# Altium PCB Flow_Pump.PcbDoc (part 5 of 5)
Units mm, origin at the board's own origin, x right, y up, seen from the top; angles counter-clockwise.
Board outline 203 x 203 mm, 2 copper layers (Top Layer, Bottom Layer); 250 components, 181 nets, 863 pads, 3284 vias.
Unrouted connection lines stored in the file: 1.
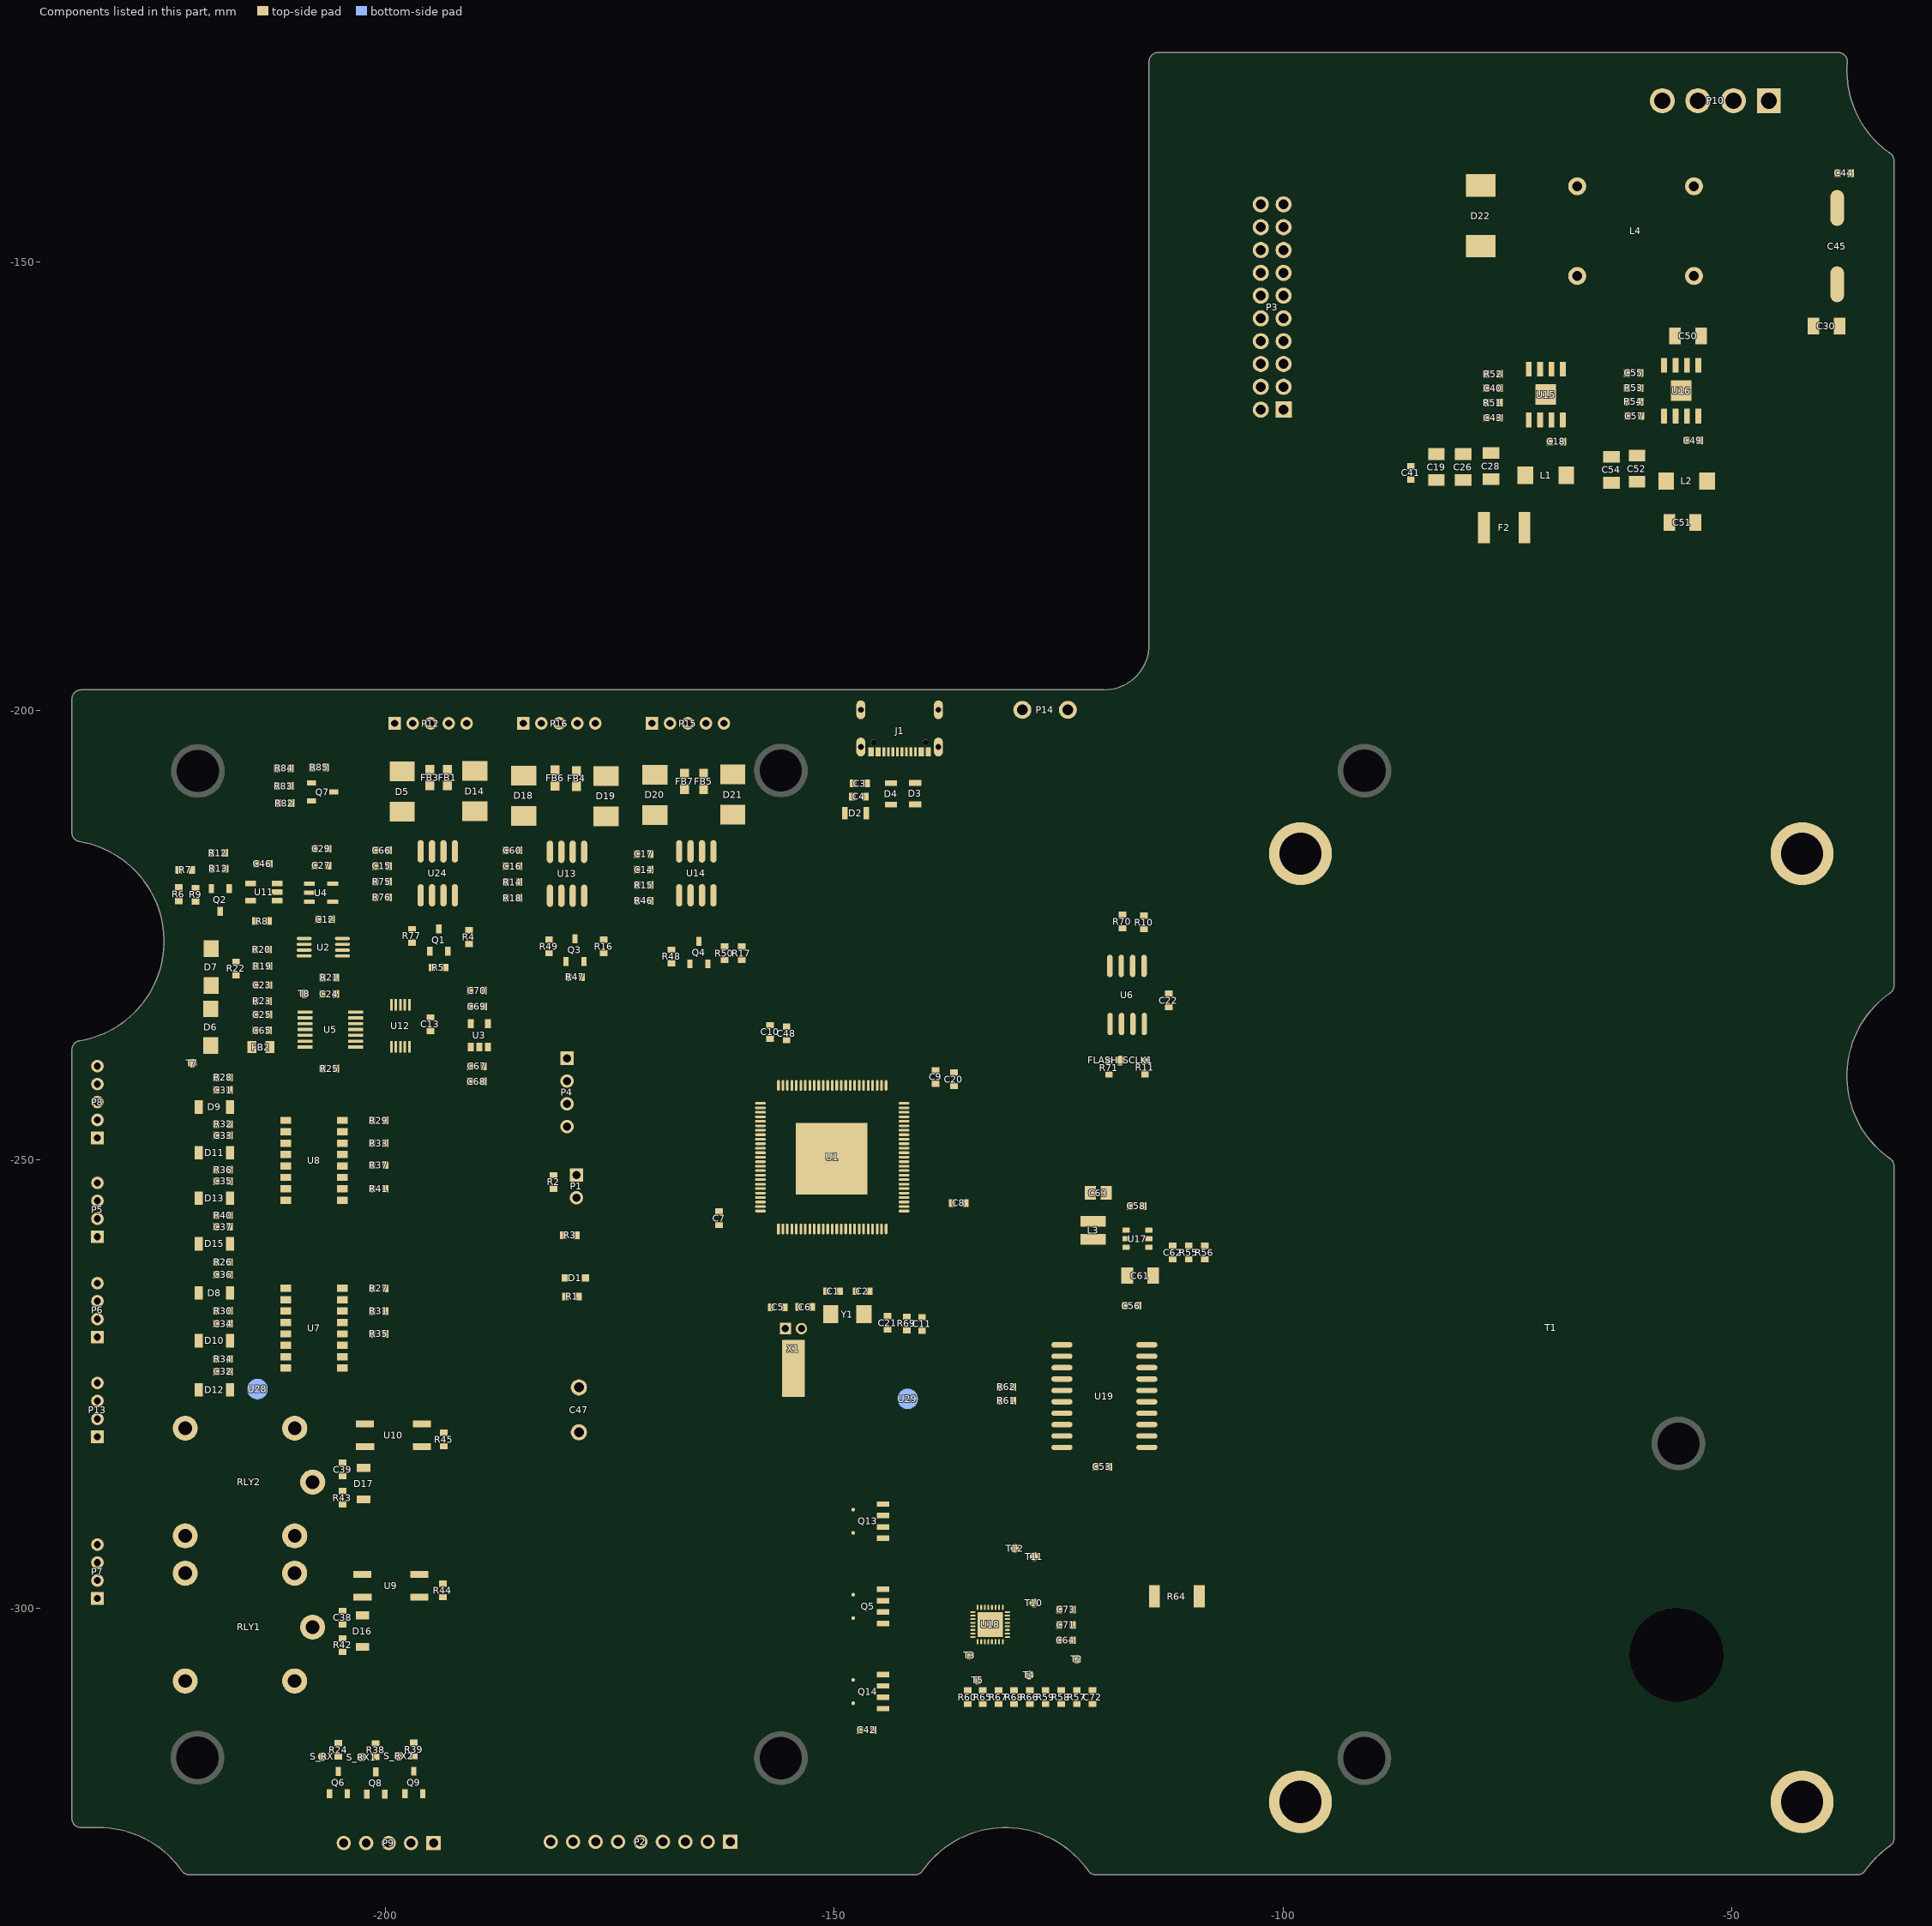
[diagram p5: the components of this part, seen from the top]

## Other copper (continued)
Bottom Layer:
  rectangle net VCC_36V_F: -68.834,-143.256 -65.21,-135.89
  rectangle net ISEN: -118.974,-311.048 -114.046,-306.857
  rectangle net ISEN: -144.094,-310.388 -140.767,-307.035
  rectangle net VCC_36V_F: -156.464,-312.191 -150.8,-287.122
  rectangle net ISEN: -143.993,-291.389 -113.36,-287.071
  rectangle net ISEN: -144.069,-311.76 -113.995,-308.61
  rectangle net ISEN: -144.094,-300.279 -113.335,-296.545
  region net GSA: -175.235,-327.508 -173.253,-327.508 -173.101,-327.355 -173.101,-314.706 -167.005,-308.61 -161.62,-308.61 -161.62,-303.784 -168.148,-303.784 -175.387,-311.023 -175.387,-327.355
  region net VCC_36V_F: -68.834,-129.235 -52.07,-129.235 -52.07,-136.906 -68.834,-136.906
  region net GSB: -175.768,-327.609 -175.768,-309.626 -165.532,-299.39 -161.442,-299.39 -161.442,-293.853 -169.291,-293.853 -177.673,-302.235 -177.673,-327.457 -177.521,-327.609 -177.419,-327.609
  region net GSC: -178.359,-327.635 -177.927,-327.203 -177.927,-298.907 -170.307,-291.287 -161.341,-291.287 -161.341,-287.071 -177.521,-287.071 -180.315,-289.865 -180.315,-327.558 -180.238,-327.635

## Silkscreen, mask and mechanical layers (free items; w line width, h text height)
Top Overlay:
  text "Flow_Pump_V1.0" at 148.565,185.674 h1.02
  text "20241020" at 148.59,179.68 h1.02
  text "36V" at -56.818,-137.609 h1.02 r90
  text "G" at -49.53,-137.668 h1.02 r90
  text "G" at -45.466,-137.668 h1.02 r90
  text "36V" at -53.594,-137.922 h1.02 r90
  text "G" at -200.152,-199.136 h1.02 r90
  text "NC" at -196.85,-199.136 h1.02 r90
  text "G" at -185.674,-199.136 h1.02 r90
  text "NC" at -182.372,-199.136 h1.02 r90
  text "G" at -171.45,-199.136 h1.02 r90
  text "NC" at -168.148,-199.136 h1.02 r90
  text "1A" at -194.818,-199.39 h1.02 r90
  text "1B" at -192.532,-199.39 h1.02 r90
  text "NC" at -190.754,-199.39 h1.02 r90
  text "2A" at -180.34,-199.39 h1.02 r90
  text "2B" at -178.054,-199.39 h1.02 r90
  text "NC" at -176.276,-199.39 h1.02 r90
  text "3A" at -166.116,-199.39 h1.02 r90
  text "3B" at -163.83,-199.39 h1.02 r90
  text "NC" at -162.052,-199.39 h1.02 r90
  text "3.3V" at -184.276,-239.142 h1.52
  text "NC" at -228.016,-239.643 h1.02
  text "CLK" at -184.15,-241.553 h1.52
  text "NC" at -228.016,-241.643 h1.02
  text "NC" at -228.016,-243.643 h1.02
  text "G" at -183.66,-244.029 h1.52
  text "AO" at -228.016,-245.643 h1.02
  text "AGND" at -228.016,-247.643 h1.02
  text "AGND" at -228.016,-252.66 h1.02
  text "AI" at -228.016,-254.66 h1.02
  text "DI0" at -228.016,-256.66 h1.02
  text "DI1" at -228.016,-258.66 h1.02
  text "DI2" at -228.016,-263.836 h1.02
  text "DI3" at -228.016,-265.836 h1.02
  text "GND" at -228.016,-267.836 h1.02
  text "NC" at -228.016,-269.836 h1.02
  text "DI4" at -228.016,-274.948 h1.02
  text "DI5" at -228.016,-276.948 h1.02
  text "DI6" at -228.016,-278.948 h1.02
  text "GND" at -228.727,-280.949 h1.02
  text "B1" at -228.016,-292.951 h1.02
  text "A1" at -228.016,-294.951 h1.02
  text "B2" at -228.016,-296.951 h1.02
  text "A2" at -228.016,-298.951 h1.02
  text "V1.3" at -142.494,-320.294 h1.52
  text "W" at -178.635,-322.097 h1.02 r90
  text "V" at -176.135,-322.097 h1.02 r90
  text "U" at -173.635,-322.097 h1.02 r90
  text "GND" at -171.135,-322.097 h1.02 r90
  text "HW" at -168.635,-322.097 h1.02 r90
  text "HV" at -166.268,-322.097 h1.02 r90
  text "HU" at -163.551,-322.097 h1.02 r90
  text "5V" at -161.112,-322.097 h1.02 r90
  text "PE" at -181.153,-322.199 h1.02 r90
  text "EZ" at -212.623,-326.949 h1.02 r90
  text "EB" at -211.43,-326.949 h1.02 r90
  text "EA" at -210.236,-326.949 h1.02 r90
  text "GND" at -208.94,-326.949 h1.02 r90
  text "5V" at -207.747,-326.974 h1.02 r90
Top Solder:
  region: -175.235,-322.326 -173.253,-322.326 -173.253,-314.477 -167.756,-308.98 -161.62,-308.98 -161.62,-303.352 -167.97,-303.352 -175.235,-310.617
  region: -175.768,-322.326 -175.768,-308.864 -165.862,-298.958 -161.442,-298.958 -161.442,-293.853 -168.377,-293.853 -177.521,-302.997 -177.521,-322.326
  region: -178.359,-322.326 -178.359,-299.339 -168.986,-289.966 -146.812,-289.966 -146.634,-289.789 -146.634,-287.071 -177.521,-287.071 -180.238,-289.789 -180.238,-322.326
Mechanical 1:
  drawing of 14077 lines, arcs and shapes, not listed
  text "15,00" at 730.991,-190.942 h1.02
  text "15,00" at 649.144,-228.11 h1.02
Mechanical 2:
  circle w0.064: c703.762,-230.984 r0.032
  circle w0.064: c703.762,-248.684 r0.032
  circle w0.064: c688.762,-248.684 r0.032
  circle w0.064: c743.311,-194.186 r0.032
  circle w0.064: c741.611,-194.186 r0.032
  circle w0.064: c741.611,-179.184 r0.032
  lines w0.127: 402.436,-497.333 438.436,-497.333 ; 402.436,-489.333 438.436,-489.333 ; 402.436,-477.334 438.436,-477.334 ; 402.436,-469.333 438.436,-469.333 ; 402.436,-457.333 438.436,-457.333 ; 402.436,-437.333 438.436,-437.333 ; 402.436,-429.333 438.436,-429.333 ; 402.436,-417.333 438.436,-417.333 ; 402.436,-409.333 438.436,-409.333 ; 402.436,-397.334 438.436,-397.334 ; 402.436,-389.333 438.436,-389.333 ; 402.436,-377.333 438.436,-377.333 ; 438.436,46.577 438.436,-509.333 ; 859.017,-495.334 979.017,-495.334 ; 859.017,-481.334 1219.017,-481.334 ; 859.017,-467.334 979.017,-467.334 ; 859.017,-453.334 979.017,-453.334 ; 859.017,-443.333 979.017,-443.333 ; 859.017,-433.333 1099.017,-433.333 ; 859.017,-423.333 979.017,-423.333 ; 859.017,-413.333 979.017,-413.333 ; 879.017,-453.334 879.017,-403.333 ; 889.017,-509.333 889.017,-453.334 ; 899.017,-453.334 899.017,-403.333 ; 919.017,-509.333 919.017,-453.334 ; 939.017,-453.334 939.017,-403.333 ; 949.017,-509.333 949.017,-453.334 ; 959.017,-453.334 959.017,-403.333 ; 979.017,-509.333 979.017,-403.333 ; 1015.017,-509.333 1015.017,-481.334 ; 1099.017,-509.333 1099.017,-403.333 ; 1099.017,-469.333 1219.017,-469.333 ; 1099.017,-447.333 1219.017,-447.333 ; 1099.017,-435.334 1219.017,-435.334 ; 1114.017,-469.333 1114.017,-447.333 ; 1129.017,-469.333 1129.017,-447.333 ; 1144.017,-469.333 1144.017,-447.333 ; 1159.017,-481.334 1159.017,-435.334 ; 1199.017,-469.333 1199.017,-435.334 ; 402.436,-509.333 402.436,46.577 1219.017,46.577 1219.017,-403.333 ; 402.436,-509.333 402.436,-369.334 438.436,-369.334 438.436,-509.333 ; 402.436,-509.333 438.436,-509.333 ; 438.436,-509.333 859.017,-509.333 ; 859.017,-509.333 859.017,-403.333 1219.017,-403.333 ; 859.017,-509.333 1219.017,-509.333 1219.017,-403.333 ; 402.436,-449.334 438.436,-449.334 402.436,-449.334
  text "电容及整流桥有干涉要移开}" at 116.191,-128.06 h1.02
  text "机构转动风叶}" at 829.723,-215.483 h1.02
  text "电容比较理想的位置}" at 839.203,-274.929 h1.02
  text "电机位置}" at 709.261,-309.876 h1.02
  text "红色线区域放大电容位置}" at 804.322,-309.876 h1.02
  text "红色线区域放大电容位置}" at -24.604,-365.863 h1.02
  text "借(通)用登U" at 405.823,-371.574 h1.02
  text "描U" at 412.913,-391.152 h1.02
  text "描校" at 413.466,-411.016 h1.02
  text "旧底UU号" at 407.406,-431.697 h1.02
  text "图样标记" at 1113.597,-439.737 h1.02
  text "比例" at 1201.002,-439.978 h1.02
  text "数量/台" at 1161.218,-440.089 h1.02
  text "U数" at 882.327,-445.957 h1.02
  text "U字" at 941.263,-445.99 h1.02
  text "更改文件号" at 902.521,-446.27 h1.02
  text "日期" at 962.474,-446.362 h1.02
  text "标记" at 862.244,-446.407 h1.02
  text "底UU号" at 408.911,-451.947 h1.02
  text "U准化" at 921.656,-458.161 h1.02
  text "设计" at 866.491,-458.576 h1.02
  text "第       U" at 1173.748,-471.926 h1.02
  text "共       U" at 1112.558,-472.157 h1.02
  text "U字" at 414.873,-472.463 h1.02
  text "绘图" at 865.885,-472.946 h1.02
  text "批准" at 923.912,-473.265 h1.02
  text "U核" at 865.18,-487.04 h1.02
  text "日期" at 413.736,-491.486 h1.02
  text "." at 1103.324,-492.423 h1.02
  text "材料" at 989.725,-494.534 h1.02
  text "工U" at 865.093,-499.264 h1.02
  text "日期" at 924.336,-500.04 h1.02
Mechanical 3:
  lines w0.127: -70.915,-188.671 115.242,-124.075 ; -58.915,-210.171 115.242,-124.075 ; -45.132,-302.97 15.593,-290.86 50.141,-290.86 ; 5.957,-362.249 -28.275,-362.249 -77.937,-322.423 ; 165.929,-124.075 115.242,-124.075 ; -81.915,-243.671 -81.915,-216.671 -58.915,-216.671 -58.915,-243.671 ; -81.915,-243.671 -58.915,-243.671 ; -81.915,-243.671 -81.915,-269.671 -35.915,-269.671 -35.915,-259.671 -58.915,-259.671 -58.915,-243.671 ; -77.937,-322.423 -125.164,-322.423 -125.164,-250.173 -37.165,-250.173 -37.165,-278.133 -77.937,-278.133 -77.937,-322.423 ; -225.915,-309.671 -206.915,-309.671 -206.915,-294.671 -225.915,-294.671 -225.915,-309.671 ; -225.915,-293.671 -225.915,-278.671 -206.915,-278.671 -206.915,-293.671 -225.915,-293.671 ; -127.915,-267.671 -119.241,-267.671 ccw(c-111.415,-256.671) -103.589,-267.671 -94.915,-267.671 -94.915,-245.671 -103.589,-245.671 ccw(c-111.415,-256.671) -119.241,-245.671 -127.915,-245.671 -127.915,-267.671 ; -81.915,-213.671 -81.915,-206.671 -58.915,-206.671 -58.915,-213.671 -81.915,-213.671
  text "∅10,50" at 18.561,-287.985 h1.02